# Altium PCB PCB_Chassisv1.0.PcbDoc (part 3 of 3)
Units mm, origin at the board's own origin, x right, y up, seen from the top; angles counter-clockwise.
Board outline 160 x 200 mm, 2 copper layers (Top Layer, Bottom Layer); 226 components, 223 nets, 912 pads, 760 vias.
Unrouted connection lines stored in the file: 149.
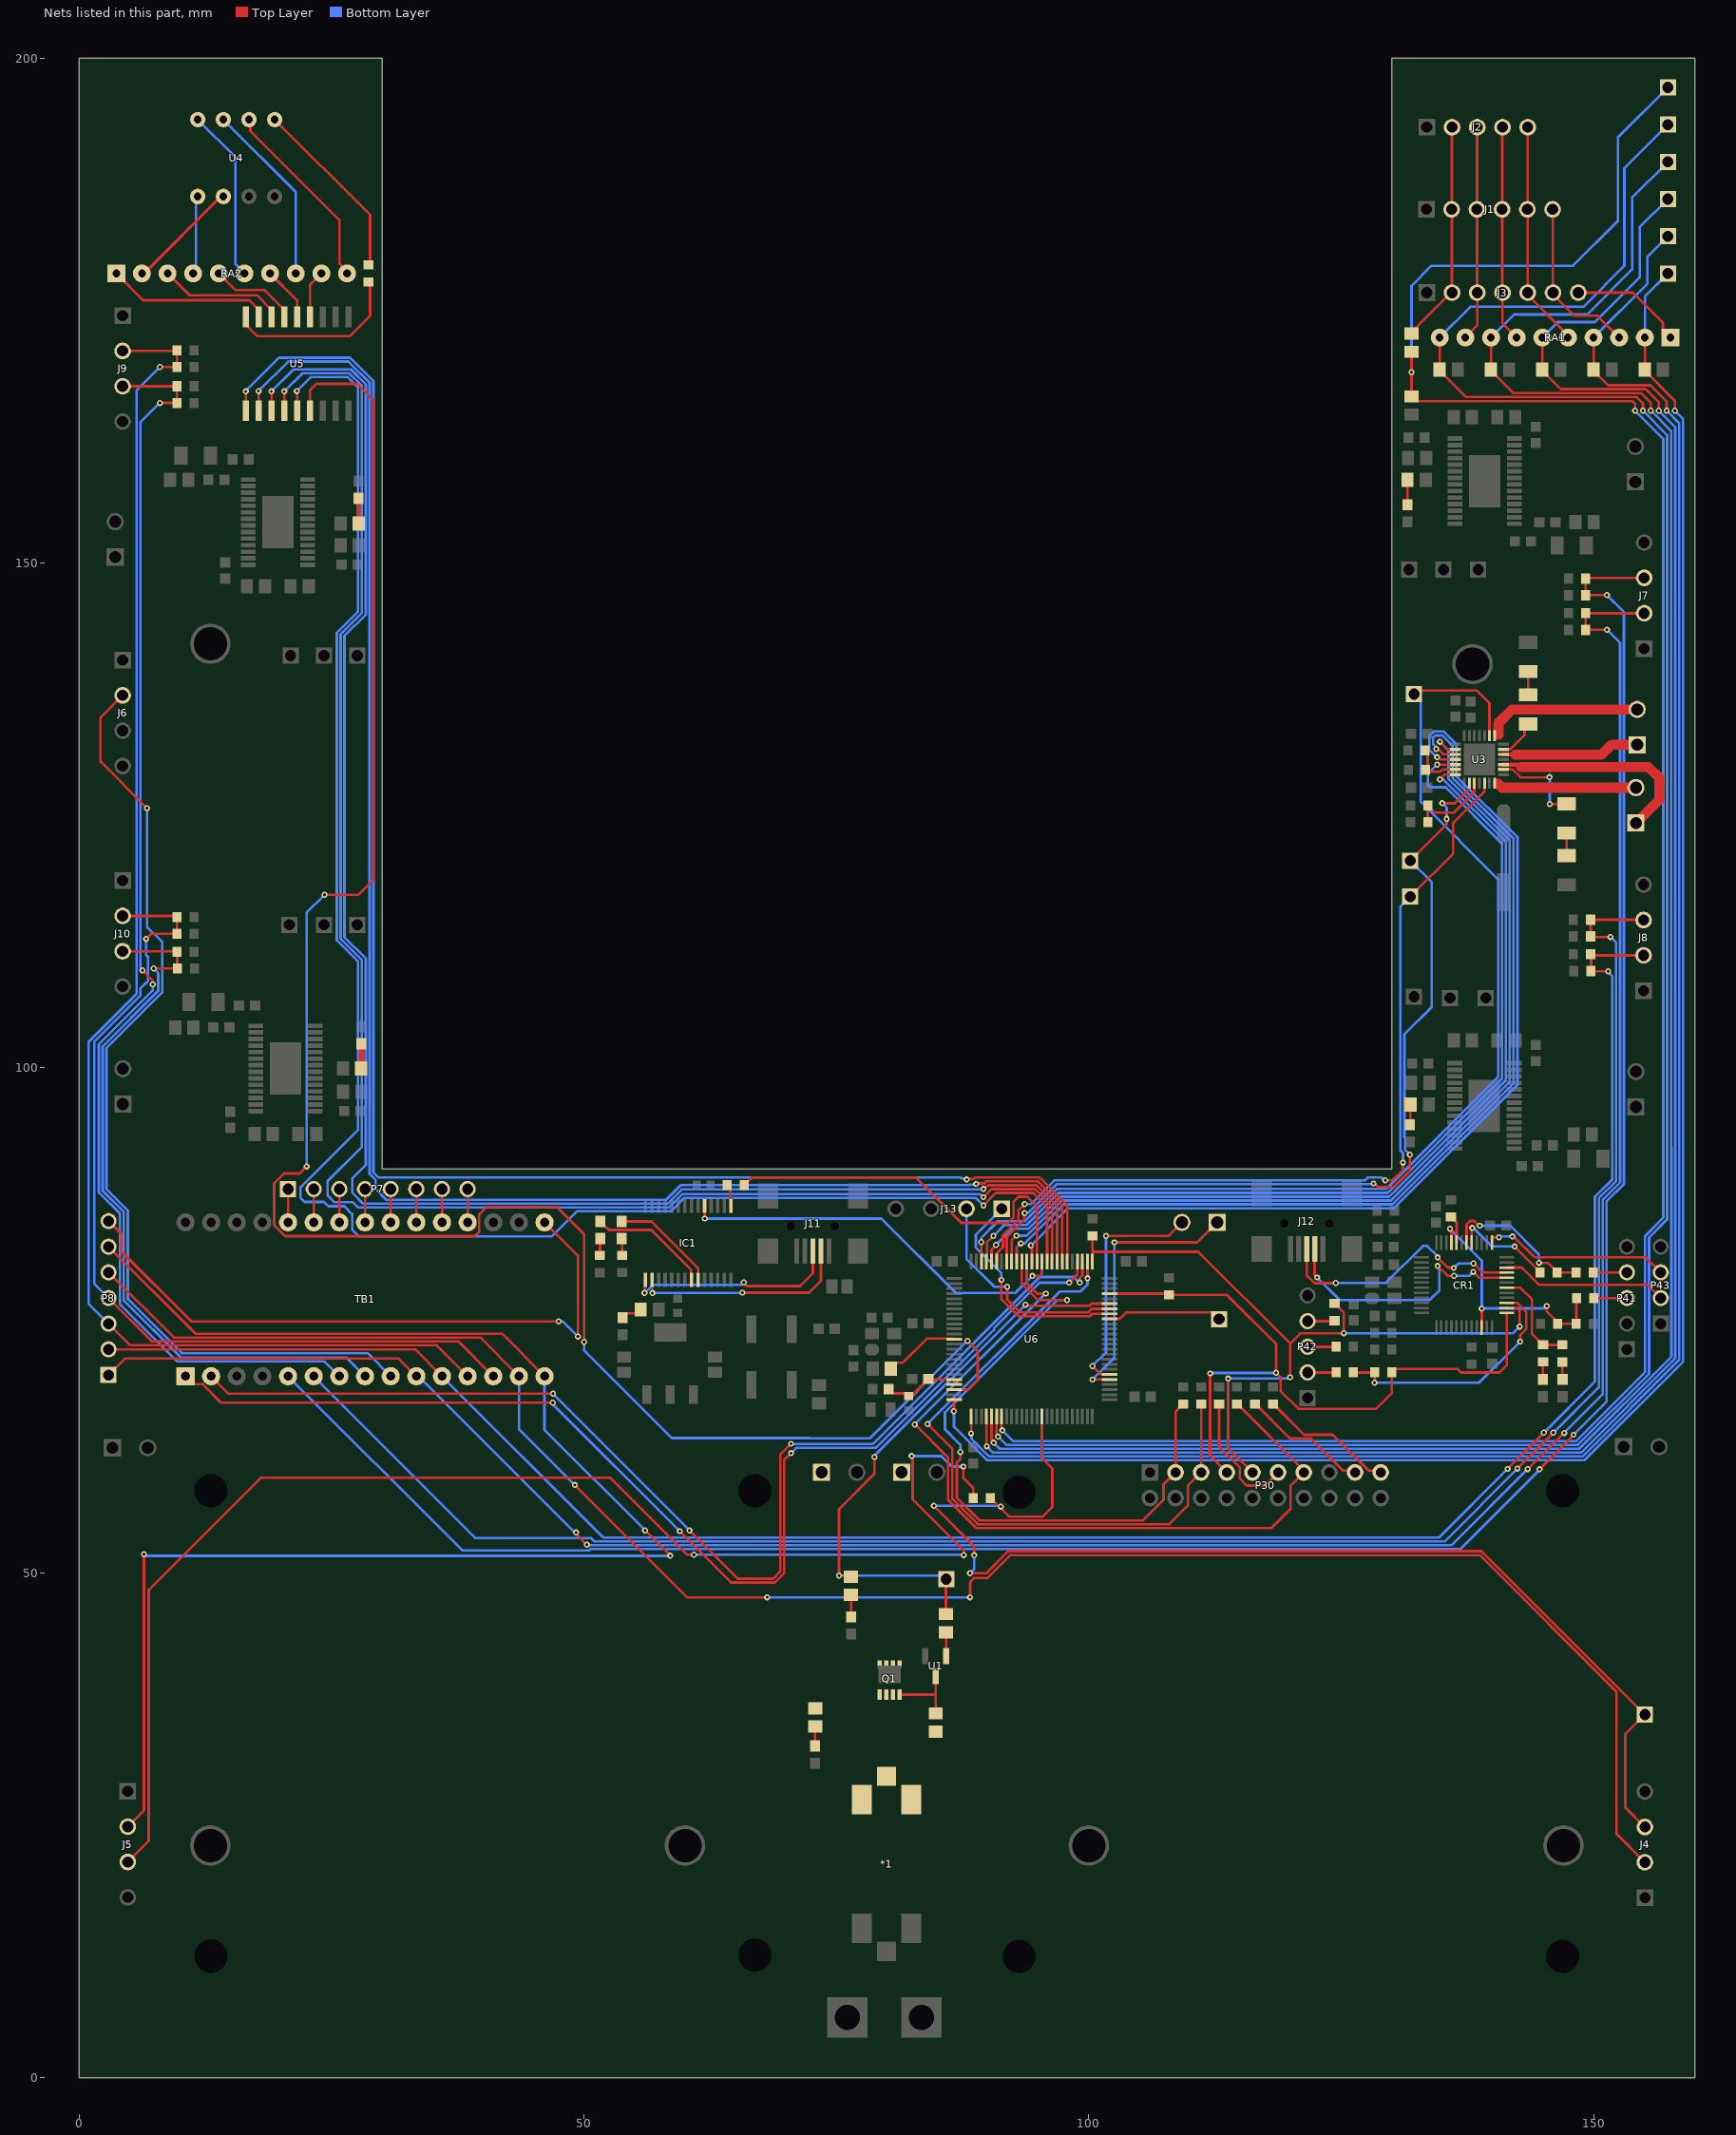
[diagram p3: the nets of this part, all layers, seen from the top]

## Via types
v1: diameter 0.6, hole 0.3, Top Layer to Bottom Layer, tented both sides, 760 vias

## Nets (pads, with @x,y where several pads share a name; then routed paths per layer and width w, separated by ;. In a path a pad name is that pad's centre, name@x,y a point inside that pad or via, vN(x,y) a via of type N, cw(c..) or ccw(c..) an arc to the next point about the centre after c; other vN are vias at no path point) (continued)
NetCR1_22: CR1.22 CR1.45 R82.1 R85.1 R86.1 | length 25.7
  Top Layer w0.254: v1(135.763,84.074) 135.903,83.934 135.903,82.71 CR1.45@135.91,82.702 ; CR1.22@138.91,74.27 138.911,74.271 v1(138.911,76.173) ; v1(145.339,76.429) 145.339,75.917 146.431,74.824 R85.1@146.431,74.676 R82.1@148.248,74.676 148.287,74.715 R86.1@148.287,77.216
  Bottom Layer w0.254: v1(135.763,84.074) 135.763,84.049 138.913,80.899 138.911,80.898 v1(138.911,76.173) 138.938,76.2 145.11,76.2 v1(145.339,76.429)
NetCR1_25: CR1.25 P30.7 R73.1 R83.2 U6.72 | length 71.8
  Top Layer w0.254: U6.72@102.041,77.652 107.756,77.652 R73.1@107.786,77.622 ; R73.1@107.925,77.534 113.651,77.534 118.542,72.644 v1(118.542,69.825) 118.991,69.375 118.991,68.026 120.761,66.256 128.461,66.256 130.009,67.804 R83.2@130.009,69.85 130.009,69.883 130.332,70.206 136.5,70.206 136.855,69.85 140.665,69.85 141.376,70.561 CR1.25@141.376,75.736 ; v1(112.014,69.748) 112.014,61.595 P30.7@113.665,59.944
  Bottom Layer w0.254: v1(112.014,69.748) 112.061,69.795 118.512,69.795 v1(118.542,69.825)
NetCR1_26: CR1.26 P30.9 R76.2 R88.2 U6.76 | length 75.5
  Top Layer w0.254: R76.2@100.355,83.376 100.361,83.371 100.361,81.788 ; U6.76@100.361,80.832 100.361,81.788 ; v1(113.792,69.24) 113.792,62.357 P30.9@116.205,59.944 ; v1(119.939,69.367) 119.939,72.695 ; R88.2@124.333,76.669 124.383,76.669 125.247,75.805 v1(125.247,73.736) 125.222,73.711 120.955,73.711 119.939,72.695 ; CR1.26@141.376,76.236 141.384,76.229 142.389,76.229 142.672,75.946 v1(142.672,74.397) ; 100.361,81.788 110.846,81.788 119.939,72.695
  Bottom Layer w0.254: v1(113.792,69.24) 119.745,69.24 119.872,69.367 v1(119.939,69.367) ; v1(125.247,73.736) 142.011,73.736 v1(142.672,74.397)
NetCR1_27: CR1.27 R83.1 R84.2 | length 24.8
  Top Layer w0.254: R84.2@126.199,69.85 R83.1@128.309,69.85 128.309,68.848 v1(128.295,68.834) ; CR1.27@141.376,76.736 141.384,76.729 142.428,76.729 143.332,75.824 143.332,74.168 142.723,73.558 v1(142.723,72.898)
  Bottom Layer w0.254: v1(128.295,68.834) 138.659,68.834 v1(142.723,72.898)
NetCR1_30: CR1.30 R96.2 R97.2 | length 9.9
  Top Layer w0.254: CR1.30@141.376,78.236 141.38,78.232 142.748,78.232 143.891,77.089 143.891,73.647 144.959,72.58 R97.2@146.888,72.58
NetCR1_32: CR1.32 J12.2 | length 26.5
  Top Layer w0.254: J12.2@122.38,82.072 122.366,82.058 122.366,79.488 v1(122.606,79.248) ; v1(134.544,80.391) 135.512,79.422 v1(136.169,79.422) ; v1(138.074,79.807) 138.645,79.236 CR1.32@141.376,79.236
  Bottom Layer w0.254: v1(122.606,79.248) 124.836,77.018 133.761,77.018 134.718,77.975 134.718,80.216 v1(134.544,80.391) ; v1(136.169,79.422) 137.69,79.422 v1(138.074,79.807)
NetCR1_33: CR1.33 J12.3 | length 25.8
  Top Layer w0.254: J12.3@121.58,82.072 121.572,82.064 121.572,79.498 122.376,78.694 124.439,78.694 v1(124.46,78.715) ; v1(134.544,81.238) 135.547,80.235 136.097,80.235 v1(136.144,80.188) ; v1(138.1,80.645) 139.009,79.736 CR1.33@141.376,79.736
  Bottom Layer w0.254: v1(124.46,78.715) 129.417,78.715 133.07,82.367 133.529,82.367 134.544,81.352 v1(134.544,81.238) ; v1(136.144,80.188) 136.588,80.632 138.087,80.632 v1(138.1,80.645)
NetCR1_34: CR1.34 P43.2 | length 16.5
  Top Layer w0.254: CR1.34@141.376,80.236 142.878,80.236 144.602,78.511 155.346,78.511 P43.2@156.642,77.216
NetCR1_37: CR1.37 P43.3 | length 18.8
  Top Layer w0.254: CR1.37@139.91,82.702 139.91,83.229 139.917,83.236 v1(140.614,83.236) ; v1(141.961,83.312) 142.088,83.312 144.15,81.25 144.806,81.25 144.814,81.242 155.156,81.242 P43.3@156.642,79.756
  Bottom Layer w0.254: v1(140.614,83.236) 140.691,83.312 v1(141.961,83.312)
NetCR1_41: CR1.41 R89.2 | length 10.1
  Top Layer w0.254: CR1.41@137.91,82.702 137.916,82.708 137.916,84.105 v1(137.964,84.153) ; v1(142.164,82.321) 142.168,82.321 144.347,80.142 144.356,80.142 144.692,79.806 R89.2@144.692,79.756
  Bottom Layer w0.254: v1(137.964,84.153) 138.097,84.153 139.929,82.321 v1(142.164,82.321)
NetCR1_42: CR1.42 R89.1 R90.2 | length 15.4
  Top Layer w0.254: CR1.42@137.41,82.702 137.41,84.531 137.739,84.859 138.153,84.859 138.633,84.379 v1(138.709,84.379) ; v1(144.577,80.696) 145.479,80.696 146.406,79.77 R89.1@146.392,79.756 R90.2@148.248,79.756
  Bottom Layer w0.254: v1(138.709,84.379) 141.734,84.379 144.577,81.536 v1(144.577,80.696)
NetCR1_44: CR1.44 R93.2 | length 2.8
  Top Layer w0.254: R93.2@135.865,85.231 135.915,85.231 136.238,84.908 136.238,84.858 136.417,84.678 136.417,82.71 CR1.44@136.41,82.702
NetD1_2: D1.2 R1.1 | length 1.9
  Top Layer w0.254: D1.2@72.898,32.854 R1.1@72.898,34.787
NetD2_2: D2.2 R3.1 | length 2.2
  Top Layer w0.254: D2.2@76.454,45.63 R3.1@76.454,47.817
NetD3_2: D3.2 R5.1 | length 2.1
  Top Layer w0.254: D3.2@53.848,75.272 53.848,75.322 54.221,75.695 55.237,75.695 R5.1@55.615,76.073
NetD10_2: D10.2 R51.1 | length 2.5
  Top Layer w0.5: D10.2@27.686,156.415 27.691,156.409 27.691,153.929 R51.1@27.697,153.924
NetD11_2: D11.2 R52.1 | length 2.5
  Top Layer w0.5: R52.1@27.94,99.949 D11.2@27.94,102.401
NetD12_2: D12.2 R63.1 | length 2.3
  Top Layer w0.254: D12.2@131.826,94.107 131.826,96.277 R63.1@131.942,96.393
NetD13_2: D13.2 R64.1 | length 2.5
  Top Layer w0.254: R64.1@131.561,158.242 131.561,155.801 D13.2@131.572,155.79
NetD14_1: D14.1 IC1.23 | length 10.6
  Top Layer w0.254: D14.1@53.746,84.811 56.693,84.811 61.3,80.203 IC1.23@61.3,79.021
NetD14_2: D14.2 R80.1 | length 1.7
  Top Layer w0.254: D14.2@53.746,83.111 53.772,83.085 R80.1@53.772,81.444
NetD15_1: D15.1 IC1.22 | length 12
  Top Layer w0.254: D15.1@51.613,84.811 51.613,84.761 51.986,84.388 52.036,84.388 52.476,83.947 56.693,83.947 60.603,80.037 60.603,79.068 IC1.22@60.65,79.021
NetD15_2: D15.2 R81.1 | length 1.8
  Top Layer w0.254: R81.1@51.587,81.419 51.587,83.085 D15.2@51.613,83.111 D15.2@51.613,83.161
NetD16_1: D16.1 R96.1 | length 1.7
  Top Layer w0.254: D16.1@144.958,69.151 R96.1@144.958,70.891
NetD17_2: D17.2 R97.1 | length 1.7
  Top Layer w0.254: D17.2@146.888,69.151 R97.1@146.888,70.88
NetIC1_1: IC1.1 R79.1 | length 2.2
  Top Layer w0.254: R79.1@64.174,88.392 64.497,88.069 64.497,86.91 64.55,86.857 IC1.1@64.55,86.333
NetIC1_5: IC1.5 U6.86 | length 39.7
  Top Layer w0.254: IC1.5@61.95,86.333 61.963,86.32 61.963,85.103 v1(61.976,85.09) ; v1(94.412,79.4) 95.098,79.4 95.352,79.654 95.352,79.662 95.361,79.671 U6.86@95.361,80.832
  Bottom Layer w0.254: v1(61.976,85.09) 79.451,85.09 86.817,77.724 92.735,77.724 v1(94.412,79.4)
NetIC1_15: IC1.15 J11.3 | length 21.4
  Top Layer w0.254: v1(56.007,77.724) 56.046,77.724 56.052,77.718 56.053,77.72 56.053,78.975 IC1.15@56.1,79.021 ; v1(65.826,78.765) 65.826,78.698 66.114,78.41 71.419,78.41 72.679,79.67 J11.3@72.679,81.843
  Bottom Layer w0.254: v1(56.007,77.724) 56.046,77.724 56.052,77.718 56.19,77.856 56.19,77.903 56.798,78.511 65.506,78.511 65.759,78.765 v1(65.826,78.765)
NetIC1_16: IC1.16 J11.2 | length 21.4
  Top Layer w0.254: IC1.16@56.75,79.021 56.747,79.018 56.747,77.746 v1(56.782,77.711) ; v1(65.684,77.749) 72.308,77.749 73.479,78.921 J11.2@73.479,81.843
  Bottom Layer w0.254: v1(56.782,77.711) 65.646,77.711 v1(65.684,77.749)
NetJ1_2: J1.2 J2.2 J3.2 R11.2 | length 22.3
  Top Layer w0.254: R11.2@131.699,172.731 131.799,172.731 135.872,176.804 135.95,176.804 135.95,185.019 J1.2@135.93,185.039 135.95,185.059 135.95,193.147 J2.2@135.97,193.167
NetJ1_3: J1.3 J2.3 J3.3 RA1.9 | length 21.4
  Top Layer w0.254: RA1.9@137.287,172.339 138.47,173.522 J3.3@138.47,176.784 138.45,176.804 138.45,185.019 J1.3@138.43,185.039 138.45,185.059 138.45,193.147 J2.3@138.47,193.167
NetJ1_4: J1.4 J2.4 J3.4 RA1.7 | length 21.4
  Top Layer w0.254: J2.4@140.97,193.167 140.95,193.147 140.95,185.059 J1.4@140.93,185.039 140.95,185.019 140.95,176.804 J3.4@140.97,176.784 140.97,173.736 RA1.7@142.367,172.339
NetJ1_5: J1.5 J2.5 J3.5 RA1.5 | length 22.5
  Top Layer w0.254: J2.5@143.47,193.167 143.45,193.147 143.45,185.059 J1.5@143.43,185.039 143.45,185.019 143.45,176.804 J3.5@143.47,176.784 143.47,176.55 147.447,172.573 RA1.5@147.447,172.339
NetJ1_6: J1.6 J3.6 RA1.3 | length 16.8
  Top Layer w0.254: J1.6@145.93,185.039 145.95,185.019 145.95,176.63 148.082,174.498 150.368,174.498 RA1.3@152.527,172.339
NetJ3_7: J3.7 RA1.1 | length 11.4
  Top Layer w0.254: J3.7@148.47,176.784 153.88,176.784 156.845,173.819 156.845,173.101 RA1.1@157.607,172.339
NetJ4_2: J4.2 P8.5 TB1.14 | length 192
  Top Layer w0.254: P8.5@2.921,79.756 9.373,73.304 39.726,73.304 TB1.14@43.561,69.469 ; v1(49.098,58.699) 60.223,47.574 v1(68.148,47.574) ; v1(88.24,47.574) 88.24,49.102 88.617,49.479 89.949,49.479 92.235,51.765 138.729,51.765 152.258,38.237 152.258,24.145 J4.2@155.067,21.336
  Bottom Layer w0.254: TB1.14@43.561,69.469 43.561,64.237 v1(49.098,58.699) ; v1(68.148,47.574) v1(88.24,47.574)
NetJ4_3: J4.3 P33.1 R16.2 U6.40 | length 119
  Top Layer w0.254: v1(84.658,56.642) 84.658,56.617 88.646,52.629 v1(88.646,51.74) ; v1(88.24,49.962) 89.84,49.962 92.024,52.146 138.887,52.146 P33.1@155.067,35.966 153.137,34.036 153.137,26.766 J4.3@155.067,24.836 ; R16.2@90.255,57.392 90.272,57.409 92.106,55.575 95.428,55.575 96.393,56.54 96.393,60.321 95.361,61.353 U6.40@95.361,65.472
  Bottom Layer w0.254: v1(84.658,56.642) 91.211,56.642 v1(91.288,56.566) ; v1(88.24,49.962) 88.646,50.368 v1(88.646,51.74)
NetJ5_2: J5.2 P8.6 TB1.15 | length 151.3
  Top Layer w0.254: P8.6@2.921,82.296 11.532,73.685 41.885,73.685 TB1.15@46.101,69.469 ; J5.2@4.826,24.864 6.426,26.464 v1(6.426,51.841) ; v1(56.058,54.204) 58.547,51.714 v1(58.547,51.689)
  Bottom Layer w0.254: v1(6.426,51.841) 6.579,51.689 v1(58.547,51.689) ; TB1.15@46.101,69.469 46.101,64.16 v1(56.058,54.204)
NetJ5_3: J5.3 R16.1 | length 137.3
  Top Layer w0.254: J5.3@4.826,21.364 6.909,23.447 6.909,48.311 18.009,59.411 52.629,59.411 60.249,51.791 v1(60.884,51.791) ; v1(82.448,61.57) 82.562,61.456 82.562,57.265 87.617,52.21 v1(87.617,51.765) ; v1(87.579,60.528) 87.579,59.385 88.555,58.41 R16.1@88.555,57.392
  Bottom Layer w0.254: v1(60.884,51.791) 87.592,51.791 v1(87.617,51.765) ; v1(82.448,61.57) 85.395,61.57 86.436,60.528 v1(87.579,60.528)
NetJ6_2: J6.2 TB1.9 | length 95.6
  Top Layer w0.254: J6.2@4.318,136.906 2.134,134.722 2.134,130.327 v1(6.731,125.73)
  Bottom Layer w0.254: v1(6.731,125.73) 6.731,113.993 8.229,112.495 8.229,107.486 2.718,101.976 2.718,87.996 4.821,85.893 4.821,77.124 10.191,71.755 28.575,71.755 TB1.9@30.861,69.469
NetJ7_2: J7.2 P8.1 R21.1 R23.2 TB1.10 | length 249.2
  Top Layer w0.254: P8.1@2.921,69.596 4.547,71.222 31.648,71.222 TB1.10@33.401,69.469 ; v1(49.225,54) 49.272,53.953 49.272,53.801 v1(50.292,52.781) ; v1(143.462,60.28) 143.49,60.28 v1(147.066,63.856) ; v1(151.308,143.408) 149.211,143.408 R23.2@149.186,143.383 R21.1@149.186,145.034 J7.2@155,145.034
  Bottom Layer w0.254: TB1.10@33.401,69.469 33.614,69.469 49.082,54 v1(49.225,54) ; v1(50.292,52.781) 50.343,52.73 135.913,52.73 v1(143.462,60.28) ; v1(147.066,63.856) 150.885,67.674 150.885,86.933 152.603,88.652 152.603,142.113 v1(151.308,143.408)
NetJ7_3: J7.3 R20.1 R22.2 TB1.5 | length 234.8
  Top Layer w0.254: v1(144.635,60.256) 148.006,63.627 v1(148.006,63.678) ; v1(151.308,146.837) 149.211,146.837 R22.2@149.186,146.812 R20.1@149.186,148.463 149.257,148.534 J7.3@155,148.534
  Bottom Layer w0.254: TB1.5@20.701,69.469 37.943,52.227 50.521,52.227 50.644,52.349 136.779,52.349 144.635,60.206 v1(144.635,60.256) ; v1(148.006,63.678) 151.266,66.938 151.266,86.776 152.984,88.494 152.984,145.161 v1(151.308,146.837)
NetJ8_2: J8.2 P8.2 R25.1 R27.2 TB1.11 | length 211.4
  Top Layer w0.254: P8.2@2.921,72.136 33.274,72.136 TB1.11@35.941,69.469 ; v1(141.471,60.292) v1(145.059,63.881) ; R25.1@149.694,111.252 R25.1@149.733,111.213 ; v1(151.435,109.576) 149.758,109.576 R27.2@149.733,109.601 R25.1@149.733,111.213 ; J8.2@154.94,111.153 149.793,111.153 R25.1@149.733,111.213
  Bottom Layer w0.254: TB1.11@35.941,69.469 51.918,53.492 134.671,53.492 v1(141.471,60.292) ; v1(145.059,63.881) 150.123,68.944 150.123,87.249 151.841,88.968 151.841,109.076 151.435,109.482 v1(151.435,109.576)
NetJ8_3: J8.3 R24.1 R26.2 TB1.6 | length 194.8
  Top Layer w0.254: v1(142.449,60.33) v1(145.999,63.881) ; v1(151.655,112.972) 149.752,112.972 R26.2@149.694,113.03 R24.1@149.694,114.681 154.912,114.681 J8.3@154.94,114.653
  Bottom Layer w0.254: TB1.6@23.241,69.469 39.268,53.442 50.724,53.442 51.054,53.111 135.23,53.111 v1(142.449,60.33) ; v1(145.999,63.881) 150.504,68.385 150.504,87.091 152.222,88.81 152.222,112.406 v1(151.655,112.972)
NetJ9_2: J9.2 P8.3 R31.1 R35.2 TB1.12 | length 144.9
  Top Layer w0.254: P8.3@2.921,74.676 5.055,72.542 35.408,72.542 TB1.12@38.481,69.469 ; J9.2@4.318,171.013 9.685,171.013 9.691,171.019 R35.2@9.691,169.418 v1(8.001,169.418)
  Bottom Layer w0.254: P8.3@2.921,74.676 0.94,76.657 0.94,102.565 5.69,107.315 5.69,167.107 v1(8.001,169.418)
NetJ9_3: J9.3 R30.1 R34.2 TB1.7 | length 127
  Top Layer w0.254: J9.3@4.318,167.513 R30.1@9.691,167.513 R34.2@9.691,165.862 v1(8.001,165.862) ; v1(6.274,109.677) 7.294,108.657 v1(7.294,108.276)
  Bottom Layer w0.254: v1(6.274,109.677) 6.274,109.744 6.071,109.947 6.071,163.932 v1(8.001,165.862) ; v1(7.294,108.276) 7.294,107.674 1.956,102.337 1.956,87.681 4.059,85.577 4.059,76.586 9.703,70.942 24.308,70.942 TB1.7@25.781,69.469
NetJ10_2: J10.2 P8.4 R37.1 R39.2 TB1.13 | length 90.1
  Top Layer w0.254: P8.4@2.921,77.216 7.214,72.923 37.567,72.923 TB1.13@41.021,69.469 ; J10.2@4.318,115.062 9.564,115.062 R37.1@9.691,114.935 R39.2@9.691,113.284 7.144,113.284 v1(6.651,112.791)
  Bottom Layer w0.254: P8.4@2.921,77.216 1.499,78.638 1.499,102.585 6.071,107.157 6.071,107.837 6.828,108.594 6.828,110.984 6.651,111.161 v1(6.651,112.791)
NetJ10_3: J10.3 R36.1 R38.2 TB1.8 | length 72.6
  Top Layer w0.254: J10.3@4.318,111.562 9.635,111.562 R36.1@9.691,111.506 9.73,111.467 R38.2@9.73,109.855 v1(7.391,109.855)
  Bottom Layer w0.254: v1(7.391,109.855) 7.848,109.399 7.848,107.644 2.337,102.133 2.337,87.839 4.44,85.735 4.44,76.967 10.084,71.323 26.467,71.323 TB1.8@28.321,69.469
NetJ13_1: J13.1 U6.68 | length 22.6
  Top Layer w0.254: v1(91.338,79.019) 91.338,77.107 93.029,75.417 100.116,75.417 100.352,75.652 U6.68@102.041,75.652
  Bottom Layer w0.254: v1(91.338,79.019) 91.338,79.68 88.803,82.215 88.803,83.477 J13.1@91.381,86.055
NetJ13_2: J13.2 U6.69 | length 22.2
  Top Layer w0.254: v1(91.923,78.334) 91.923,77.062 93.187,75.798 99.958,75.798 100.313,76.152 U6.69@102.041,76.152
  Bottom Layer w0.254: J13.2@87.881,86.055 87.881,81.105 90.653,78.334 v1(91.923,78.334)
NetP7_1: P7.1 TB1.26 | length 3.3
  Top Layer w0.254: TB1.26@20.701,84.709 P7.1@20.701,88.011
NetP7_2: P7.2 TB1.25 | length 3.3
  Top Layer w0.254: TB1.25@23.241,84.709 P7.2@23.241,88.011
NetP7_3: P7.3 TB1.24 | length 3.3
  Top Layer w0.254: TB1.24@25.781,84.709 P7.3@25.781,88.011
NetP7_4: P7.4 TB1.23 | length 3.3
  Top Layer w0.254: TB1.23@28.321,84.709 P7.4@28.321,88.011
NetP7_5: P7.5 TB1.22 | length 3.3
  Top Layer w0.254: TB1.22@30.861,84.709 P7.5@30.861,88.011
NetP7_6: P7.6 TB1.21 | length 3.3
  Top Layer w0.254: TB1.21@33.401,84.709 P7.6@33.401,88.011
NetP7_7: P7.7 TB1.20 | length 3.3
  Top Layer w0.254: TB1.20@35.941,84.709 P7.7@35.941,88.011
NetP7_8: P7.8 TB1.19 | length 3.3
  Top Layer w0.254: TB1.19@38.481,84.709 P7.8@38.481,88.011
NetP8_7: P8.7 TB1.16 | length 64.9
  Top Layer w0.254: P8.7@2.921,84.836 4.197,83.56 4.197,81.817 11.109,74.905 v1(47.498,74.905) ; TB1.16@46.101,84.709 49.403,81.407 v1(49.403,73.406)
  Bottom Layer w0.254: v1(47.498,74.905) 47.879,74.905 49.378,73.406 v1(49.403,73.406)
NetP9_1: P9.1 U3.24 | length 21
  Top Layer w0.4: U3.24@141.046,130.048 141.049,130.045 142.108,130.045 142.105,130.048 142.494,130.048
  Top Layer w1: 142.789,129.819 155.423,129.819 156.489,128.753 156.489,126.573 P9.1@154.178,124.262
NetP9_2: P9.2 U3.21 | length 13.8
  Top Layer w1: 140.53,128.16 140.929,127.762 P9.2@154.178,127.762
NetP10_1: P10.1 U3.26 | length 13.7
  Top Layer w0.4: U3.26@141.046,131.064 141.957,131.064
  Top Layer w0.5: 141.957,131.064 142.189,131.064 142.24,131.013
  Top Layer w1: 142.24,131.013 150.774,131.013 151.77,132.009 P10.1@154.305,132.009
NetP10_2: P10.2 U3.1 | length 15.5
  Top Layer w1: 140.564,132.994 140.564,134.163 141.91,135.509 P10.2@154.305,135.509
NetP15_1: P15.1 U3.2 U6.98 | length 112.9
  Top Layer w0.254: v1(89.357,82.753) 89.348,82.744 89.348,80.845 U6.98@89.361,80.832 ; P15.1@132.207,137.033 132.563,137.389 138.405,137.389 139.675,136.119 U3.2@139.675,132.918
  Bottom Layer w0.254: v1(89.357,82.753) 89.357,83.187 91,84.829 93.671,84.829 96.858,88.016 129.437,88.016 140.538,99.117 140.538,118.693 132.88,126.351 132.88,136.36 P15.1@132.207,137.033
NetP16_1: P16.1 U3.19 U6.95 | length 87.8
  Top Layer w0.254: U6.95@90.861,80.832 90.874,80.845 90.874,81.628 91.491,82.245 91.491,83.429 93.015,84.953 93.015,85.877 v1(93.65,86.512) ; v1(129.362,88.875) 130.092,88.875 131.115,89.897 v1(131.115,90.627) ; P16.1@131.826,116.967 136.081,121.221 136.081,124.269 139.167,127.356 139.167,128.168 U3.19@139.192,128.194
  Bottom Layer w0.254: v1(93.65,86.512) 93.653,86.516 94.281,86.516 96.643,88.879 127.342,88.879 127.61,89.146 127.889,89.146 128.997,89.146 129.269,88.875 v1(129.362,88.875) ; v1(131.115,90.627) 131.115,91.562 130.864,91.812 130.864,116.005 P16.1@131.826,116.967
NetP17_1: P17.1 U3.16 U6.93 | length 89.9
  Top Layer w0.254: U6.93@91.861,80.832 91.872,80.843 91.872,83.271 93.603,85.002 93.603,85.576 v1(93.65,85.623) ; v1(128.194,88.57) 128.287,88.57 128.643,88.214 130.2,88.214 131.801,89.814 v1(131.801,91.415) ; P17.1@131.826,120.523 135.433,124.13 v1(135.433,124.663) ; v1(135.001,126.213) 136.249,126.213 137.668,127.631 137.668,128.168 U3.16@137.693,128.194
  Bottom Layer w0.254: v1(93.65,85.623) 93.697,85.67 93.974,85.67 96.801,88.498 128.004,88.498 128.01,88.504 128.128,88.504 v1(128.194,88.57) ; v1(131.801,91.415) 131.318,91.897 131.318,93.066 131.245,93.139 131.245,103.33 133.96,106.045 133.96,118.389 P17.1@131.826,120.523 ; v1(135.001,126.213) 135.433,125.781 v1(135.433,124.663)
NetP21_1: P21.1 U6.55 | length 27.2
  Top Layer w0.254: v1(100.355,69.139) 100.362,69.145 102.034,69.145 U6.55@102.041,69.152 ; v1(102.54,82.728) 110.739,82.728 P21.1@112.72,84.709
  Bottom Layer w0.254: v1(100.355,69.139) 102.54,71.323 v1(102.54,82.728)
NetP21_2: P21.2 U6.56 | length 23.5
  Top Layer w0.254: v1(100.355,70.485) 101.175,69.665 102.028,69.665 U6.56@102.041,69.652 ; v1(101.702,83.363) 107.874,83.363 P21.2@109.22,84.709
  Bottom Layer w0.254: v1(100.355,70.485) 101.702,71.831 v1(101.702,83.363)
NetP22_1: P22.1 R6.2 RA1.2 U6.25 | length 190.6
  Top Layer w0.254: v1(86.639,66.015) 86.639,67.114 86.678,67.152 U6.25@86.681,67.152 ; RA1.2@155.067,172.339 155.067,169.175 R6.2@155.056,169.164 155.056,169.064 158.039,166.081 v1(158.039,165.1)
  Bottom Layer w0.254: v1(86.639,66.015) 86.639,64.46 89.952,61.147 149.056,61.147 158.852,70.942 158.852,164.287 v1(158.039,165.1) ; RA1.2@155.067,172.339 155.067,176.403 P22.1@157.353,178.689
NetP23_1: P23.1 R7.2 RA1.4 U6.26 | length 197.4
  Top Layer w0.254: v1(88.341,63.805) 88.361,63.825 U6.26@88.361,65.472 ; RA1.4@149.987,172.339 R7.2@149.987,169.164 149.987,169.064 151.436,167.615 155.626,167.615 157.226,166.014 v1(157.226,165.1)
  Bottom Layer w0.254: v1@88.294,63.758 v1(88.341,63.805) 88.388,63.758 88.388,63.254 90.114,61.528 148.899,61.528 158.458,71.087 158.458,163.868 v1(157.226,165.1) ; RA1.4@149.987,172.339 155.321,177.673 155.321,180.34 P23.1@157.353,182.372
NetP24_1: P24.1 R8.2 RA1.6 U6.29 | length 207.8
  Top Layer w0.254: U6.29@89.861,65.472 89.874,65.459 89.874,62.551 v1(89.891,62.535) ; RA1.6@144.907,172.339 144.907,169.175 R8.2@144.896,169.164 144.896,169.064 146.726,167.234 155.152,167.234 156.439,165.947 v1(156.439,165.1)
  Bottom Layer w0.254: v1(89.891,62.535) 90.516,61.909 148.741,61.909 158.077,71.245 158.077,163.462 v1(156.439,165.1) ; RA1.6@144.907,172.339 146.431,173.863 150.114,173.863 154.559,178.308 154.559,183.261 P24.1@157.353,186.055
NetP25_1: P25.1 R9.2 RA1.8 U6.30 | length 218.5
  Top Layer w0.254: U6.30@90.361,65.472 90.361,63.172 90.576,62.957 v1(90.576,62.89) ; RA1.8@139.827,172.339 139.827,169.175 R9.2@139.816,169.164 139.816,169.064 142.053,166.827 154.711,166.827 155.651,165.887 v1(155.651,165.1) v1@155.604,165.147
  Bottom Layer w0.254: v1(90.576,62.89) 91.177,62.29 148.583,62.29 157.696,71.403 157.696,92.115 157.658,92.153 157.658,163.093 v1(155.651,165.1) ; RA1.8@139.827,172.339 142.113,174.625 149.352,174.625 153.797,179.07 153.797,186.182 P25.1@157.353,189.738
NetP26_1: P26.1 R10.2 RA1.10 U6.31 | length 229.4
  Top Layer w0.254: U6.31@90.861,65.472 90.861,63.714 91.008,63.567 v1(91.008,63.5) ; RA1.10@134.747,172.339 134.747,169.175 R10.2@134.736,169.164 134.736,169.064 137.354,166.446 154.254,166.446 154.864,165.837 v1(154.864,165.1)
  Bottom Layer w0.254: v1(91.008,63.5) 91.837,62.671 148.425,62.671 155.473,69.719 155.473,83.21 157.277,85.014 157.277,162.687 v1(154.864,165.1) ; RA1.10@134.747,172.339 137.795,175.387 148.971,175.387 153.035,179.451 153.035,189.103 P26.1@157.353,193.421
NetP27_1: P27.1 R11.1 R12.2 U6.32 | length 239.9
  Top Layer w0.254: U6.32@91.361,65.472 91.361,64.311 91.393,64.279 91.393,64.157 v1(91.44,64.11) ; R11.1@131.953,170.931 v1(131.953,168.91) R12.2@131.953,166.508 132.426,166.035 153.843,166.035 154.102,165.776 v1(154.102,165.1)
  Bottom Layer w0.254: v1(91.44,64.11) 92.498,63.052 148.267,63.052 155.092,69.877 155.092,83.368 156.896,85.172 156.896,162.285 154.102,165.079 v1(154.102,165.1) ; v1(131.953,168.91) 131.953,177.456 133.948,179.451 147.955,179.451 152.4,183.896 152.4,192.151 P27.1@157.353,197.104
NetP30_3: P30.3 R75.1 U6.90 | length 65.9
  Top Layer w0.254: v1(87.274,61.976) 87.274,61.278 86.925,60.929 86.925,57.434 89.165,55.194 105.361,55.194 107.405,57.238 107.405,58.764 P30.3@108.585,59.944 108.585,65.952 108.974,66.341 108.974,66.391 109.297,66.714 R75.1@109.347,66.714 ; U6.90@93.361,80.832 93.361,78.648 94.996,77.013 v1(97.841,77.013) v1@97.815,77.038
  Bottom Layer w0.254: v1(87.274,61.976) 87.274,62.695 85.75,64.219 85.75,65.909 96.854,77.013 v1(97.841,77.013)
NetP30_5: P30.5 R74.1 U6.77 | length 68
  Top Layer w0.254: v1(84.023,64.745) 86.493,62.274 86.493,57.327 89.007,54.813 107.975,54.813 109.81,56.648 109.81,58.629 P30.5@111.125,59.944 R74.1@111.125,66.714 ; U6.77@99.861,80.832 99.867,80.826 99.867,79.178 v1(99.873,79.172)
  Bottom Layer w0.254: v1(84.023,64.745) 97.142,77.864 99.174,77.864 99.873,78.562 v1(99.873,79.172)
NetP30_11: P30.11 R72.1 | length 13.2
  Top Layer w0.254: R72.1@112.953,66.714 R72.1@112.903,66.714 112.903,62.484 114.96,60.427 114.96,59.334 115.646,58.649 117.45,58.649 P30.11@118.745,59.944 P30.11@118.517,60.172
NetP30_13: P30.13 R71.1 U6.89 | length 81.2
  Top Layer w0.254: v1(82.753,64.694) 82.779,64.694 86.062,61.411 86.062,57.22 88.849,54.432 118.059,54.432 119.99,56.363 119.99,58.649 P30.13@121.285,59.944 121.285,60.16 114.731,66.714 R71.1@114.681,66.714 ; U6.89@93.861,80.832 93.848,80.819 93.848,78.7 94.9,77.648 v1(95.758,77.648)
  Bottom Layer w0.254: v1(82.753,64.694) 95.707,77.648 v1(95.758,77.648)
NetP30_17: P30.17 R77.2 | length 12.7
  Top Layer w0.254: R77.2@116.459,66.714 116.509,66.714 119.922,63.301 121.994,63.301 125.159,60.136 126.173,60.136 P30.17@126.365,59.944
NetP30_19: P30.19 R78.2 | length 13.5
  Top Layer w0.254: R78.2@118.237,66.714 118.287,66.714 121.319,63.682 124.153,63.682 127.699,60.136 128.713,60.136 P30.19@128.905,59.944
NetP31_1: P31.1 R4.2 U6.70 | length 57.2
  Top Layer w0.254: v1(75.26,49.733) 75.26,56.312 78.765,59.817 v1(78.765,61.468) ; R4.2@85.852,45.909 85.852,49.352 P31.1@85.877,49.378 ; v1(93.736,76.561) 93.838,76.459 100.081,76.459 100.279,76.657 102.036,76.657 U6.70@102.041,76.652
  Bottom Layer w0.254: v1(75.26,49.733) 85.522,49.733 P31.1@85.877,49.378 ; v1(78.765,61.468) 78.765,61.59 v1(93.736,76.561)
NetP34_1: P34.1 U6.67 | length 11.4
  Top Layer w0.254: U6.67@102.041,75.152 103.071,75.152 103.725,75.806 112.23,75.806 P34.1@112.903,75.133
NetP41_3: P41.3 R86.2 | length 3.3
  Top Layer w0.254: R86.2@149.987,77.216 P41.3@153.289,77.216
NetP41_4: P41.4 R90.1 | length 3.3
  Top Layer w0.254: R90.1@149.948,79.756 P41.4@153.289,79.756
NetP42_2: P42.2 R84.1 | length 2.8
  Top Layer w0.254: P42.2@121.666,69.85 R84.1@124.499,69.85
NetP42_3: P42.3 R87.1 | length 2.8
  Top Layer w0.254: P42.3@121.666,72.39 R87.1@124.499,72.39
NetP42_4: P42.4 R88.1 | length 2.7
  Top Layer w0.254: P42.4@121.666,74.93 124.294,74.93 R88.1@124.333,74.969
NetQ1_4: Q1.4 R2.1 U1.3 | length 7.3
  Top Layer w0.254: Q1.4@81.252,37.942 84.82,37.942 84.836,37.926 ; R2.1@84.836,36.079 84.836,37.926 ; U1.3@84.836,39.772 84.836,37.926
NetR4_1: R4.1 U1.1 | length 2.4
  Top Layer w0.254: R4.1@85.852,44.109 85.861,44.1 U1.1@85.861,41.762
NetR28_2: R28.2 R29.1 | length 2.2
  Top Layer w0.254: R28.2@147.32,121.031 R29.1@147.32,123.264
NetR29_2: R29.2 U3.23 | length 9.3
  Top Layer w0.254: U3.23@141.046,129.565 141.977,129.565 142.764,128.778 145.593,128.778 v1(145.618,128.803) ; v1(145.644,126.136) 147.292,126.136 R29.2@147.32,126.164
  Bottom Layer w0.254: v1(145.618,128.803) 145.644,128.778 v1(145.644,126.136)
NetR32_2: R32.2 R33.1 | length 2.3
  Top Layer w0.254: R33.1@143.51,136.959 R32.2@143.51,139.266
NetR33_2: R33.2 U3.27 | length 3.9
  Top Layer w0.254: U3.27@141.046,131.547 141.072,131.572 141.732,131.572 143.155,132.994 143.155,133.704 R33.2@143.51,134.059
NetR40_1: R40.1 R43.1 U3.13 | length 4.7
  Top Layer w0.254: R43.1@133.565,131.318 133.565,129.54 133.764,129.341 134.802,129.341 135.027,129.565 U3.13@136.322,129.565
NetR41_2: R41.2 R42.1 U3.17 | length 8.2
  Top Layer w0.254: R41.2@133.565,124.333 R42.1@133.565,125.934 ; R42.1@133.565,125.984 R42.1@133.565,125.934 ; U3.17@138.176,128.194 138.176,127.305 136.169,125.298 134.251,125.298 133.938,125.611 133.888,125.611 R42.1@133.565,125.934
NetR44_1: R44.1 U5.18 | length 17.7
  Top Layer w0.254: U5.18@16.51,174.371 16.51,173.641 17.685,172.466 26.797,172.466 28.829,174.498 R44.1@28.829,177.839
NetR44_2: R44.2 U4.A-OUT | length 18.3
  Top Layer w0.254: U4.A-OUT@19.38,193.929 28.829,184.48 R44.2@28.829,179.539
NetR70_1: R70.1 U6.13 | length 7.6
  Top Layer w0.254: R70.1@80.402,70.231 80.402,70.331 80.875,70.804 81.574,70.804 83.968,73.198 86.635,73.198 U6.13@86.681,73.152
NetR79_2: R79.2 U6.87 | length 39
  Top Layer w0.254: R79.2@65.874,88.392 65.874,88.442 66.197,88.765 66.247,88.765 66.628,89.146 82.888,89.146 87.376,84.658 91.994,84.658 92.558,85.222 92.558,86.766 93.032,87.241 93.912,87.241 94.865,86.288 94.865,80.836 U6.87@94.861,80.832
NetRA2_1: RA2.1 U5.17 | length 16.3
  Top Layer w0.254: RA2.1@3.683,178.689 6.35,176.022 16.859,176.022 17.78,175.101 U5.17@17.78,174.371
NetRA2_2: RA2.2 U4.F | length 11.2
  Top Layer w0.254: RA2.2@6.223,178.689 6.452,178.689 14.072,186.309 U4.F@14.3,186.309
NetRA2_3: RA2.3 U5.16 | length 12.5
  Top Layer w0.254: RA2.3@8.763,178.689 10.922,176.53 17.621,176.53 19.05,175.101 U5.16@19.05,174.371
NetRA2_4: RA2.4 U4.E | length 7.8
  Bottom Layer w0.254: RA2.4@11.303,178.689 11.577,178.963 11.577,186.126 U4.E@11.76,186.309
NetRA2_5: RA2.5 U5.15 | length 8.7
  Top Layer w0.254: RA2.5@13.843,178.689 15.494,177.038 18.383,177.038 20.32,175.101 U5.15@20.32,174.371
NetRA2_6: RA2.6 U4.D | length 17.2
  Bottom Layer w0.254: U4.D@11.76,193.929 15.494,190.195 15.494,179.596 16.383,178.707 RA2.6@16.383,178.689
NetRA2_7: RA2.7 U5.14 | length 5.4
  Top Layer w0.254: RA2.7@18.923,178.689 21.59,176.022 U5.14@21.59,174.371
NetRA2_8: RA2.8 U4.C | length 18.2
  Bottom Layer w0.254: U4.C@14.3,193.929 21.463,186.766 RA2.8@21.463,178.689
NetRA2_9: RA2.9 U5.13 | length 4.8
  Top Layer w0.254: U5.13@22.86,174.371 22.86,177.546 RA2.9@24.003,178.689
NetRA2_10: RA2.10 U4.B | length 19.3
  Top Layer w0.254: U4.B@16.84,193.929 16.969,193.8 16.969,192.786 25.777,183.978 25.777,179.719 26.543,178.953 RA2.10@26.543,178.689
NetTB1_1: TB1.1 U6.79 | length 117.4
  Top Layer w0.254: TB1.1@10.541,69.469 11.314,68.696 12.222,68.696 14.065,66.853 v1(46.914,66.853) ; v1(59.487,54.127) 64.567,49.047 68.916,49.047 69.825,49.956 69.825,61.163 v1(70.51,61.849) ; v1(98.05,78.746) 98.861,79.557 U6.79@98.861,80.832
  Bottom Layer w0.254: v1(46.914,66.853) 46.961,66.806 46.961,66.653 v1(59.487,54.127) ; v1(70.51,61.849) 71.035,62.373 78.755,62.373 78.792,62.411 78.94,62.411 90.61,74.08 90.61,74.229 95.121,78.74 98.044,78.74 v1(98.05,78.746)
NetTB1_2: TB1.2 U6.78 | length 115.6
  Top Layer w0.254: TB1.2@13.081,69.469 14.808,67.742 v1(46.939,67.742) ; v1(60.452,54.204) 65.227,49.428 68.758,49.428 69.444,50.114 69.444,61.722 v1(70.51,62.789) ; v1(99.085,78.74) 99.085,79.168 99.348,79.43 U6.78@99.348,80.429
  Bottom Layer w0.254: v1(46.939,67.742) 60.452,54.229 v1(60.452,54.204) ; v1(70.51,62.789) 70.545,62.754 78.597,62.754 95.143,79.3 98.525,79.3 v1(99.085,78.74)
NetU3_9: U3.9 U6.92 | length 96.3
  Top Layer w0.254: U6.92@92.361,80.832 92.361,82.901 92.837,83.377 v1(92.837,83.388) ; v1(134.772,132.309) 135.509,131.572 136.296,131.572 U3.9@136.322,131.547
  Bottom Layer w0.254: v1(92.837,83.388) 93.847,83.388 97.332,86.873 129.91,86.873 141.681,98.644 141.681,122.542 135.621,128.602 135.621,131.409 134.772,132.258 v1(134.772,132.309)
NetU3_10: U3.10 U6.91 | length 99.1
  Top Layer w0.254: U6.91@92.862,80.833 92.862,82.22 v1(93.268,82.626) ; v1(134.402,131.597) 134.595,131.597 135.128,131.064 U3.10@136.322,131.064
  Bottom Layer w0.254: v1(93.268,82.626) 93.674,82.626 97.539,86.492 130.068,86.492 142.062,98.486 142.062,122.7 136.017,128.745 136.017,131.902 135.763,132.156 135.763,132.182 135.005,132.94 134.312,132.94 134.091,132.719 134.091,132.101 134.402,131.79 v1(134.402,131.597)
NetU3_11: U3.11 U6.88 | length 100.4
  Top Layer w0.254: v1(94.259,82.423) 94.259,82.329 94.361,82.228 U6.88@94.361,80.832 ; v1(134.488,130.785) 134.61,130.785 134.839,130.556 U3.11@136.322,130.556
  Bottom Layer w0.254: v1(94.259,82.423) 97.947,86.111 130.226,86.111 142.443,98.328 142.443,122.858 136.398,128.903 136.398,132.085 135.163,133.321 134.154,133.321 133.71,132.876 133.71,131.507 134.432,130.785 v1(134.488,130.785)
NetU3_12: U3.12 U6.97 | length 96.9
  Top Layer w0.254: U6.97@89.861,80.832 89.911,80.882 89.911,82.723 v1(90.551,83.363) ; v1(134.493,130.048) U3.12@136.322,130.048
  Bottom Layer w0.254: v1(90.551,83.363) 91.636,84.448 93.829,84.448 97.016,87.635 129.595,87.635 140.919,98.959 140.919,122.226 135.337,127.809 133.786,127.809 133.579,128.016 133.579,129.134 v1(134.493,130.048)
NetU3_14: U3.14 U6.96 | length 93.5
  Top Layer w0.254: U6.96@90.361,80.832 90.367,80.838 90.367,82.032 v1(90.809,82.474) ; v1(134.772,128.575) 135.255,129.057 U3.14@136.322,129.057
  Bottom Layer w0.254: v1(90.809,82.474) 92.402,84.067 93.987,84.067 97.174,87.254 129.752,87.254 141.3,98.802 141.3,122.384 135.11,128.575 v1(134.772,128.575)
NetU5_1: U5.1 U6.81 | length 171.1
  Top Layer w0.254: U5.1@16.51,165.091 v1(16.51,167.005) ; v1(87.909,88.951) 87.976,89.017 88.564,89.017 88.693,89.146 89.684,89.146 95.148,89.146 97.861,86.433 U6.81@97.861,80.832
  Bottom Layer w0.254: v1(16.51,167.005) 16.51,167.056 19.798,170.344 26.836,170.344 29.156,168.024 29.156,106.308 29.156,89.646 29.656,89.146 87.305,89.146 87.403,89.049 87.812,89.049 v1(87.909,88.951)
NetU5_2: U5.2 U6.82 | length 170.9
  Top Layer w0.254: U5.2@17.78,165.091 v1(17.78,167.03) ; v1(88.849,88.519) 88.895,88.565 89.642,88.565 89.842,88.765 94.991,88.765 97.361,86.395 U6.82@97.361,80.832
  Bottom Layer w0.254: v1(17.78,167.03) 20.713,169.963 26.678,169.963 28.775,167.866 28.775,106.15 28.775,89.488 29.375,88.888 29.375,88.006 30.437,86.944 58.119,86.944 59.572,88.397 88.139,88.397 88.195,88.453 88.783,88.453 v1(88.849,88.519)
NetU5_3: U5.3 U6.83 | length 172.5
  Top Layer w0.254: U5.3@19.05,165.091 v1(19.05,167.005) ; v1(89.56,88.011) 89.627,88.011 90,88.384 94.833,88.384 96.861,86.356 U6.83@96.861,80.832
  Bottom Layer w0.254: v1(19.05,167.005) 21.229,169.184 26.919,169.184 28.394,167.709 28.394,144.904 26.289,142.799 26.289,112.954 28.394,110.849 28.394,105.992 28.394,90.399 27.051,89.056 27.051,87.655 28.143,86.563 58.277,86.563 59.679,87.965 89.514,87.965 v1(89.56,88.011)
NetU5_4: U5.4 U6.84 | length 173.6
  Top Layer w0.254: U5.4@20.32,165.091 v1(20.32,167.005) ; v1(89.56,87.198) 90.365,88.003 94.675,88.003 96.361,86.317 U6.84@96.361,80.832
  Bottom Layer w0.254: v1(20.32,167.005) 22.118,168.803 26.761,168.803 28.013,167.551 28.013,145.062 25.908,142.957 25.908,112.796 28.013,110.691 28.013,92.199 24.616,88.802 24.616,87.372 25.286,86.703 27.114,86.703 27.635,86.182 58.435,86.182 59.768,87.515 89.177,87.515 89.494,87.198 v1(89.56,87.198)
NetU5_5: U5.5 U6.85 | length 178.2
  Top Layer w0.254: v1(21.565,167.03) 21.565,167.005 21.59,166.98 U5.5@21.59,165.091 ; v1(89.56,86.385) 90.797,87.622 94.517,87.622 95.861,86.278 U6.85@95.861,80.832
  Bottom Layer w0.254: v1(21.565,167.03) 22.956,168.422 26.603,168.422 27.632,167.393 27.632,145.219 25.527,143.114 25.527,112.638 27.632,110.533 27.632,105.356 27.632,93.893 21.946,88.206 21.946,87.122 22.327,86.741 24.257,86.741 24.689,86.309 26.264,86.309 27.051,85.522 27.051,84.023 27.762,83.312 46.812,83.312 49.301,85.801 58.593,85.801 59.926,87.134 88.812,87.134 v1(89.56,86.385)
NetU5_6: U5.6 U6.23 | length 196.5
  Top Layer w0.254: v1(22.53,90.246) 21.841,89.558 20.288,89.558 19.315,88.584 19.315,84.43 20.399,83.345 39.192,83.345 39.635,83.788 39.635,85.507 40.361,86.233 47.338,86.233 50.013,83.558 v1(50.013,72.873) ; U5.6@22.86,165.091 22.86,167.081 23.52,167.742 27.559,167.742 29.156,166.145 29.156,118.643 27.657,117.145 v1(24.308,117.145) ; U6.23@86.681,68.152 88.091,68.152 88.993,69.054 88.993,71.967 v1(87.986,72.974)
  Bottom Layer w0.254: v1(22.53,90.246) 22.53,115.367 v1(24.308,117.145) ; v1(50.013,72.873) 50.013,72.039 58.704,63.348 72.263,63.348 72.284,63.326 78.338,63.326 v1(87.986,72.974)
VCC: P2.1 Q1.5 Q1.6 Q1.7 Q1.8 R3.2
VCC-BATT: *1.2 P5.1 Q1.1 Q1.2 Q1.3 R1.2 R2.2
VDDA: C31.2 C35.2 L1.1 U6.21 U6.22 | length 8
  Top Layer w0.254: C35.2@80.175,68.199 80.599,67.775 81.896,67.775 L1.1@82.169,67.502 82.442,67.775 82.672,67.775 C31.2@84.112,69.215 84.175,69.152 U6.21@86.681,69.152 U6.22@86.681,68.652
pads on no net: B1.22 B2.22 B3.22 B4.22 CR1.2 CR1.3 CR1.4 CR1.11 CR1.12 CR1.13 CR1.14 CR1.16 CR1.17 CR1.19 CR1.28 CR1.29 CR1.31 CR1.38 CR1.39 CR1.40 IC1.2 IC1.3 IC1.6 IC1.8 IC1.9 IC1.10 IC1.11 IC1.12 IC1.13 IC1.14 IC1.19 IC1.24 IC1.27 IC1.28 J6.3 J11.4 J11.None J12.4 J12.None Q1.9 Q1.10 Q1.11 TB1.3 TB1.17 TB1.28 TB1.30 U3.7 U3.20 U3.25 U5.7 U5.8 U5.11 U5.12 U6.6 U6.73 U8.0 U9.0

## Polygon pours and split planes (outlines as drawn)
GND on Top Layer "Top Layer-GND" (solid, pour order 29): 0,0 160.02,0 160.02,200.025 130.048,200.025 130.048,90.17 129.921,90.043 29.972,90.043 29.972,200.025 0,200.025
VCC on Top Layer "Top Layer-VCC" (solid, pour order 27): 78.892,62.154 83.16,62.154 83.16,38.989 77.724,38.989 77.724,46.761 75.032,46.761 75.032,57.912 78.892,57.912
+5 on Top Layer "Top Layer-5V" (solid, pour order 26): 64.16,60.427 64.16,72.365 59.817,72.365 59.817,66.04 4.47,66.04 4.445,66.015 4.445,60.427
VCC-BATT on Top Layer "Top Layer-VCC-BATT" (solid, pour order 24): 90.018,21.184 69.977,21.184 69.977,62.078 69.952,62.103 74.905,62.103 74.905,38.837 90.018,38.837 90.018,31.979
Net*1_1 on Top Layer "Top Layer-Net*1_1" (solid, pour order 25): 69.977,21.184 90.018,21.184 90.018,0.762 90.043,0.737 79.477,0.737 79.477,9.068 79.502,9.093 70.002,9.093 69.977,9.119
+12 on Top Layer "Top Layer-+12_2" (solid, pour order 18): 10.363,104.927 18.267,104.927 18.267,94.836 10.363,94.836
+12 on Top Layer "Top Layer-+12" (solid, pour order 22): 7.874,159.385 17.526,159.385 17.526,149.149 7.874,149.149
NetB1_5 on Top Layer "Top Layer-NetB1_5" (solid, pour order 4): 2.159,152.375 12.558,152.375 12.929,152.729 17.526,152.729 17.526,152.146 14.605,152.146 11.659,149.2 2.159,149.2
NetB1_7 on Top Layer "Top Layer-NetB1_7" (solid, pour order 12): 17.611,154.674 17.611,153.374 14.52,153.374 11.696,153.374 10.414,152.527 2.159,152.527 2.159,155.956 10.414,155.956 11.696,154.674
GND on Bottom Layer "Bot Layer-GND" (solid, pour order 35): 0,0 160.02,0 160.02,200.025 130.048,200.025 130.048,90.17 129.921,90.043 29.972,90.043 29.972,200.025 0,200.025
+12 on Bottom Layer "Bottom Layer-+12_2" (solid, pour order 31): 8.636,105.054 18.288,105.054 18.288,94.818 8.636,94.818 8.636,105.054
+12 on Bottom Layer "Bottom Layer-+12" (solid, pour order 33): 7.874,159.385 17.526,159.385 17.526,149.149 7.874,149.149 7.874,159.385
no net on Top Overlay (solid): 50.394,77.099

## Keep-outs
Keep-Out Layer:
  the board outline again, w1.2

## Other copper
Bottom Layer:
  region net NetJ9_3: 7.341,107.975
  region net NetJ9_2: 5.69,107.315

## Silkscreen, mask and mechanical layers (free items; w line width, h text height)
Top Overlay:
  drawing of 151 lines, arcs and shapes, not listed
  text "6S" at 152.171,196.088 h1.52
  text "5S" at 152.121,192.38 h1.52
  text "4S" at 152.197,188.57 h1.52
  text "3S" at 152.171,185.242 h1.52
  text "2S" at 152.248,181.534 h1.52
  text "1S" at 152.197,177.775 h1.52
  text "BR-1" at 27.356,165.303 h1.52 r270
  text "3.3V / C2 / C1 / GND" at 11.968,165.235 h1
  text "+ /  / -" at 148.26,156.972 h1.52
  text "BR-4" at 132.105,151.359 h1.52
  text "FAULT" at 141.326,150.444 h1.52 r270
  text "- /  / +" at 8.077,149.555 h1.52
  text "FAULT" at 26.949,148.742 h1.52 r270
  text "DIR" at 134.315,147.523 h1.52 r270
  text "EN" at 131.039,147.066 h1.52 r270
  text "DIR" at 23.847,147.005 h1.52 r270
  text "ENABLE" at 17.221,146.329 h1.52 r270
  text "5V / DOUT / - / GND" at 2.083,142.443 h1
  text "EN" at 131.496,141.376 h1.52 r270
  text "GND / C1 / C2 / 3.3V" at 145.364,132.867 h1.52
  text "STEP" at 134.595,123.317 h1.52 r270
  text "A2 / A1 / B2 / B1" at 148.347,121.808 h1.52
  text "3.3V / C2 / C1 / GND" at 1.691,120.812 h1
  text "ENABLE" at 16.993,116.129 h1.52 r270
  text "DIR" at 130.937,113.64 h1.52
  text "FAULT" at 141.402,113.462 h1.52 r270
  text "DIR" at 134.899,112.725 h1.52 r270
  text "FAULT" at 27.229,112.192 h1.52 r270
  text "EN" at 131.47,111.76 h1.52 r270
  text "DIR" at 23.571,111.709 h1.52 r270
  text "GND / C1 / C2 / 3.3V" at 146.533,99.39 h1.52
  text "- /  / +" at 8.738,95.504 h1.52
  text "BR-2" at 27.33,94.945 h1.52 r270
  text "+ /  / -" at 148.285,94.691 h1.52
  text "BR-3" at 133.325,93.37 h1.52 r270
  text "TX / RX / 3.3V / GND" at 94.59,89.154 h1.52 r270
  text "RX" at 50.851,88.925 h1.52 r270
  text "TX" at 53.035,88.9 h1.52 r270
  text "PROG" at 133.02,88.29 h1.52 r180
  text "X" at 154.026,85.217 h1.52
  text "COM" at 73.025,78.969 h1.52 r180
  text "3.3V" at 51.003,76.632 h1.52 r270
  text "MCO" at 111.023,71.526 h1.52
  text "5V / GND" at 2.413,57.861 h1.52 r270
  text "12V / GND" at 152.629,57.074 h1.52 r270
  text "GND / BAT" at 72.949,55.397 h1.52 r270
  text "GND / VCC" at 81.001,55.397 h1.52 r270
  text "22.12.2019" at 1.549,51.029 h1.52 r270
  text "Marco Stauber" at 3.327,51.029 h1.52 r270
  text "Projekt Horizon Controller V1.0" at 5.105,51.029 h1.52 r270
  text "VCC" at 77.978,46.507 h1.52 r270
  text "VENT1_PWM" at 156.972,44.171 h1.52 r270
  text "5V" at 37.465,36.703 h1.52
  text "12V" at 116.713,36.576 h1.52
  text "BAT" at 74.422,34.442 h1.52 r270
  text "FUZE / ca. 20A" at 84.811,27.432 h1.52 r270
  text "GND / PWM / FG / +12V" at 1.676,6.071 h1.52
  text "GND / PWM / FG / +12V" at 152.552,5.156 h1.52

## Text inside footprints (layer, text, board x,y; h text height)
CR1: Top Overlay "*" at 131.578,81.867 h0.79; Mechanical 1 "*" at 133.934,81.486 h0.79
P30: Bottom Overlay "2" at 103.845,58.154 h1.5 r180; Bottom Overlay "1" at 104.345,60.694 h1.5 r180; Bottom Overlay "20" at 130.105,58.154 h1.5 r180; Bottom Overlay "19" at 130.105,60.694 h1.5 r180
U8: Top Overlay "VOUT" at 12.573,37.694 h1.52 r270; Top Overlay "VIN" at 65.278,37.313 h1.52 r270
U9: Top Overlay "VIN" at 94.727,32.841 h1.52 r90; Top Overlay "VOUT" at 147.432,32.46 h1.52 r90